# KiCad board PowerSupply.kicad_pcb
title: Laser Diode Power Supply; date: 2022-12-22; rev: v1.6; company: Brian Pepin
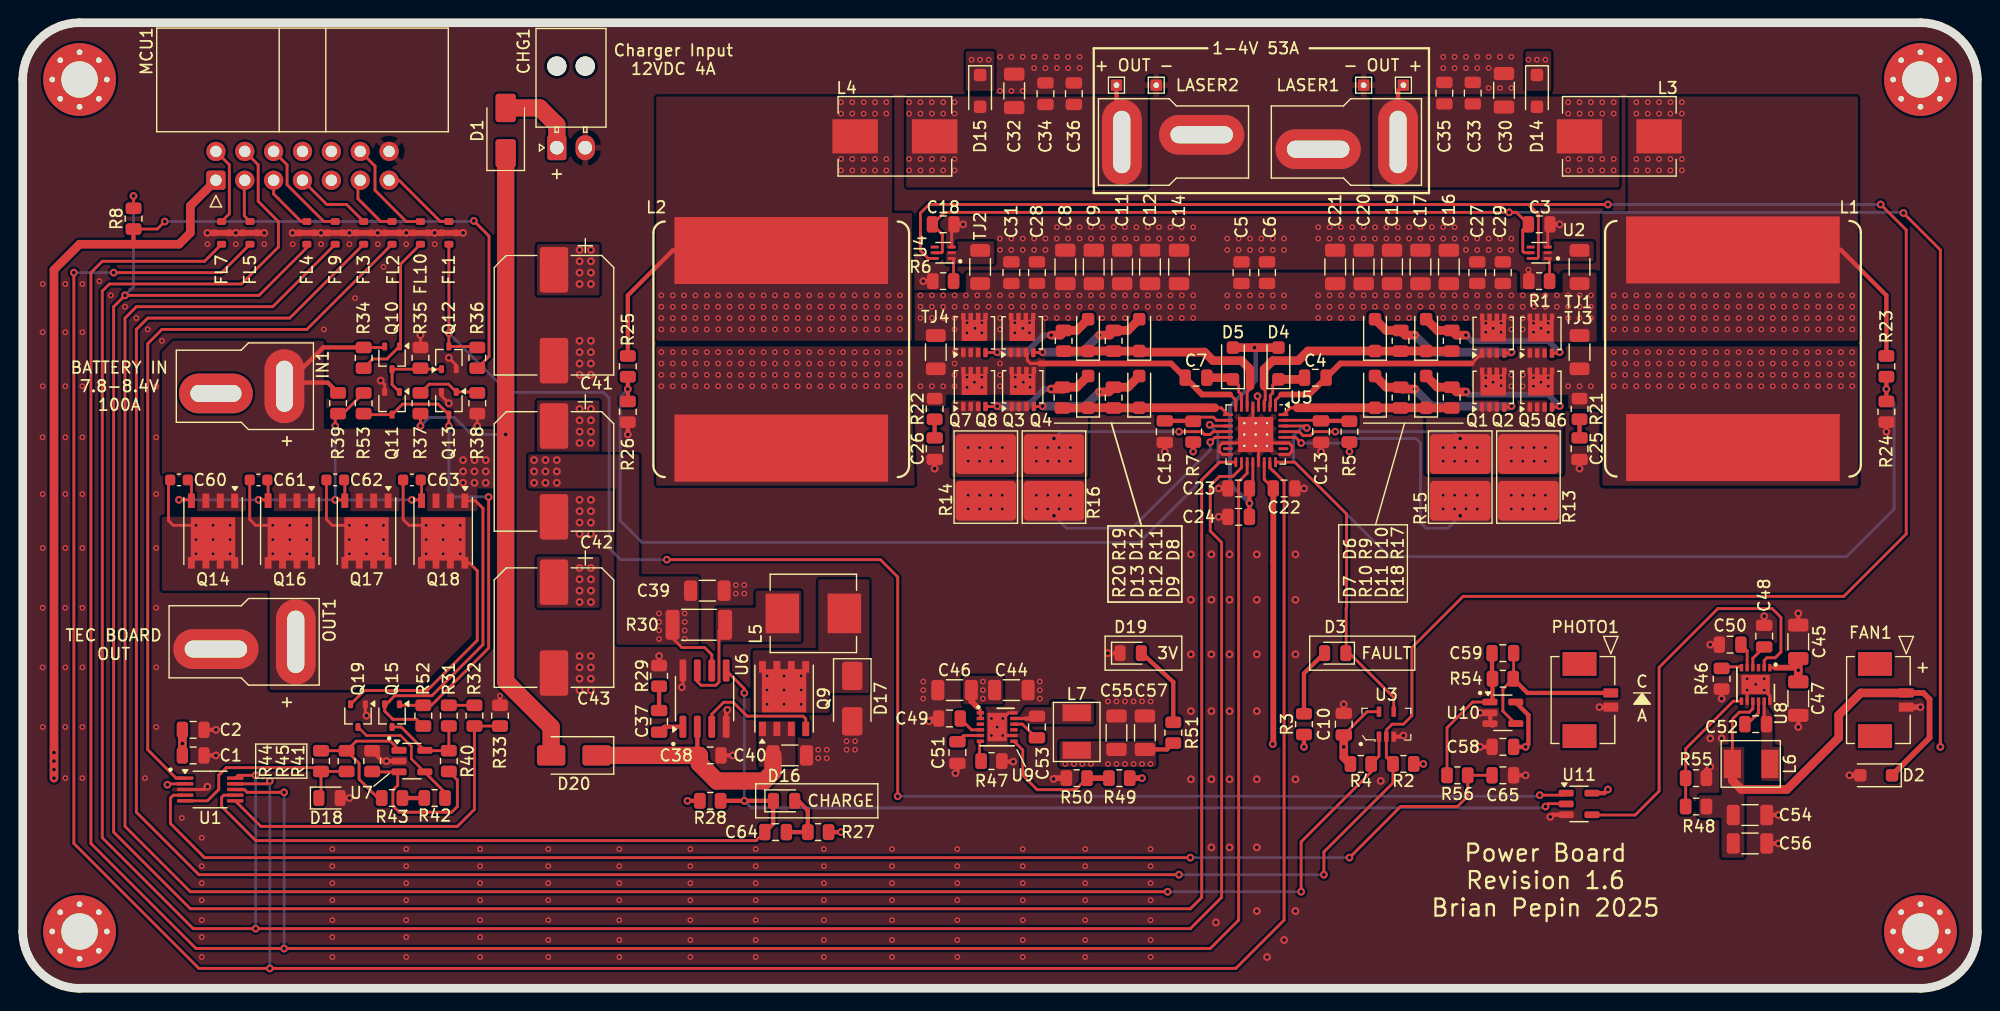
[diagram p0: board, top side]
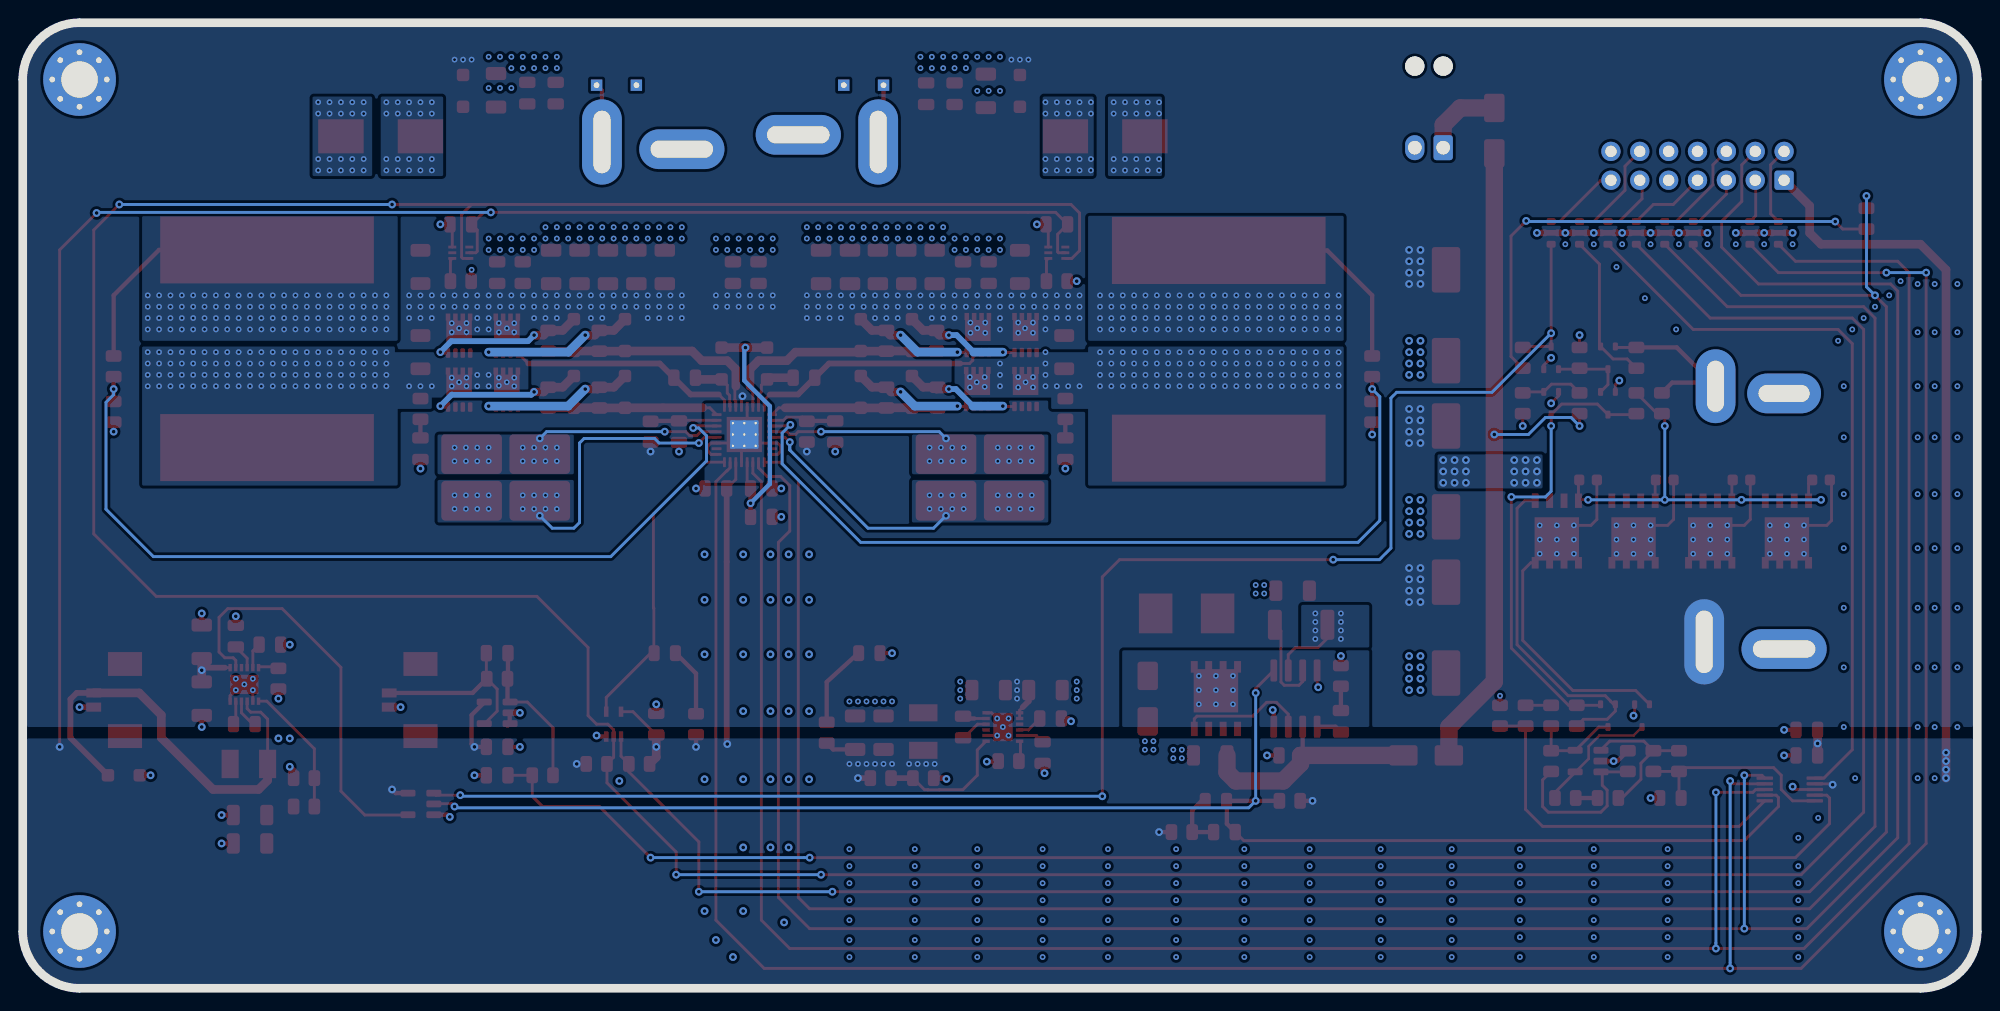
[diagram p1: board, bottom side, seen from below]

Outline 172 x 85 mm; copper layers: Top, In1.Cu, In2.Cu, Bottom. Coordinates in mm from the lower left corner of the outline.
Outline path: 0,80 0,5 arc(1.46,1.46) 5,0 167,0 arc(170.54,1.46) 172,5 172,80 arc(170.54,83.54) 167,85 5,85 arc(1.46,83.54) 0,80
Stack: Top 0.035mm / dielectric 0.48mm FR4 er 4.5 / In1.Cu 0.035mm / dielectric 0.48mm FR4 er 4.5 / In2.Cu 0.035mm / dielectric 0.48mm FR4 er 4.5 / Bottom 0.035mm

## Placement (name value [footprint] x y rotation side)
C1  1uF  [C_0805_2012Metric]  15 20.5 0 top
C2  .1uF  [C_0805_2012Metric]  15 22.75 0 top
C3  .1uF  [C_0805_2012Metric]  133.45 67.25 0 top
C4  .22uF  [C_0805_2012Metric]  113.75 53.75 0 top
C5  .1uF  [C_0805_2012Metric]  107.25 63 90 top
C6  4.7uF  [C_0805_2012Metric]  109.5 63 90 top
C7  .22uF  [C_0805_2012Metric]  103.25 53.75 180 top
C8  47uF  [C_1206_3216Metric]  91.75 63.5 90 top
C9  47uF  [C_1206_3216Metric]  94.25 63.5 90 top
C10  .1uF  [C_0805_2012Metric]  116.25 23.25 270 top
C11  47uF  [C_1206_3216Metric]  96.75 63.5 90 top
C12  47uF  [C_1206_3216Metric]  99.2 63.5 90 top
C13  220pF  [C_0805_2012Metric]  114.25 49 270 top
C14  47uF  [C_1206_3216Metric]  101.75 63.5 90 top
C15  220pF  [C_0805_2012Metric]  100.5 49 270 top
C16  47uF  [C_1206_3216Metric]  125.5 63.5 90 top
C17  47uF  [C_1206_3216Metric]  123 63.5 90 top
C18  .1uF  [C_0805_2012Metric]  81 67.25 0 top
C19  47uF  [C_1206_3216Metric]  120.5 63.5 90 top
C20  47uF  [C_1206_3216Metric]  118 63.5 90 top
C21  47uF  [C_1206_3216Metric]  115.5 63.5 90 top
C22  .1uF  [C_0805_2012Metric]  111 44 180 top
C23  2.2uF  [C_0805_2012Metric]  107 44 0 top
C24  .1uF  [C_0805_2012Metric]  107 41.5 0 top
C25  2200pF  [C_0805_2012Metric]  137 47.5 270 top
C26  2200pF  [C_0805_2012Metric]  80.25 47.5 270 top
C27  4.7uF  [C_0805_2012Metric]  128 63 90 top
C28  4.7uF  [C_0805_2012Metric]  89.25 63 90 top
C29  4.7uF  [C_0805_2012Metric]  130.25 63 90 top
C30  22uF  [C_1206_3216Metric]  130.35 79.05 90 top
C31  4.7uF  [C_0805_2012Metric]  87 63 90 top
C32  22uF  [C_1206_3216Metric]  87.25 79 90 top
C33  4.7uF  [C_0805_2012Metric]  127.6 78.8 90 top
C34  4.7uF  [C_0805_2012Metric]  90 78.75 90 top
C35  1uF  [C_0805_2012Metric]  125.1 78.8 90 top
C36  1uF  [C_0805_2012Metric]  92.5 78.75 90 top
C37  .47uF  [C_0805_2012Metric]  56 23.5 270 top
C38  .1uF  [C_0805_2012Metric]  60.5 20.5 0 top
C39  22uF  [C_1206_3216Metric]  60.25 35 0 top
C40  10uF  [C_1206_3216Metric]  67.5 20.5 180 top
C41  330uF  [CP_Elec_10x10]  46.75 59.25 270 top
C42  330uF  [CP_Elec_10x10]  46.75 45.5 270 top
C43  330uF  [CP_Elec_10x10]  46.75 31.75 270 top
C44  47uF  [C_1206_3216Metric]  87 26.25 180 top
C45  47uF  [C_1206_3216Metric]  156.25 30.5 270 top
C46  47uF  [C_1206_3216Metric]  82 26.25 0 top
C47  47uF  [C_1206_3216Metric]  156.25 25.5 90 top
C48  7.5nF  [C_0805_2012Metric]  153.25 31 90 top
C49  7.5nF  [C_0805_2012Metric]  81.55 23.75 180 top
C50  4.7uF  [C_0805_2012Metric]  150.25 30.25 0 top
C51  4.7uF  [C_0805_2012Metric]  82.25 20.75 90 top
C52  .1uF  [C_0805_2012Metric]  152.5 23.25 180 top
C53  .1uF  [C_0805_2012Metric]  89.25 23 270 top
C54  22uF  [C_1206_3216Metric]  152 15.25 180 top
C55  22uF  [C_1206_3216Metric]  96.25 22.5 270 top
C56  22uF  [C_1206_3216Metric]  152 12.75 180 top
C57  22uF  [C_1206_3216Metric]  98.75 22.5 270 top
C58  10uF  [C_0805_2012Metric]  130.25 21.25 0 top
C59  1uF  [C_0805_2012Metric]  130.25 29.5 0 top
C60  .22uF  [C_0603_1608Metric]  13.75 44.75 0 top
C61  .22uF  [C_0603_1608Metric]  20.75 44.75 0 top
C62  .22uF  [C_0603_1608Metric]  27.5 44.75 0 top
C63  .22uF  [C_0603_1608Metric]  34.25 44.75 0 top
C64  4.7uF  [C_0805_2012Metric]  66.25 13.75 0 top
C65  10uF  [C_0805_2012Metric]  130.25 18.75 0 top
CHG1  105313-1102  [Molex_Nano-Fit_105313-xx02_1x02_P2.50mm_Horizontal]  47 74 90 top
D1  CDBA540-HF  [D_SMA]  42.5 75.5 90 top
D2  V1FM15-M3/H  [D_SOD-123F]  163.1 18.75 180 top
D3  SM0805HCL  [LED_0805_2012Metric]  115.5 29.5 180 top
D4  V1FM15-M3/H  [D_SOD-123F]  110.5 55 90 top
D5  V1FM15-M3/H  [D_SOD-123F]  106.5 55 90 top
D6  V1FM15-M3/H  [D_SOD-123F]  119 57.5 90 top
D7  V1FM15-M3/H  [D_SOD-123F]  119 52.5 90 top
D8  V1FM15-M3/H  [D_SOD-123F]  98.25 57.5 90 top
D9  V1FM15-M3/H  [D_SOD-123F]  98.25 52.5 90 top
D10  V1FM15-M3/H  [D_SOD-123F]  123.5 57.5 90 top
D11  V1FM15-M3/H  [D_SOD-123F]  123.5 52.5 90 top
D12  V1FM15-M3/H  [D_SOD-123F]  93.75 57.5 90 top
D13  V1FM15-M3/H  [D_SOD-123F]  93.75 52.5 90 top
D14  V1FM15-M3/H  [D_SOD-123F]  133.25 79 270 top
D15  V1FM15-M3/H  [D_SOD-123F]  84.25 79 270 top
D16  SM0805GCL  [LED_0805_2012Metric]  67 16.5 0 top
D17  CDBA540-HF  [D_SMA]  73 25.5 270 top
D18  BZY55B3V0 RBG  [D_0805_2012Metric]  27 16.75 0 top
D19  SM0805GCL  [LED_0805_2012Metric]  97.5 29.5 0 top
D20  CDBA540-HF  [D_SMA]  48.5 20.5 180 top
FAN1  53398-0267  [533980267]  165.75 26 90 top
FL1  NFL21SP206X1C7D  [EMI_805]  37.5 66.5 270 top
FL2  NFL21SP206X1C7D  [EMI_805]  32.5 66.5 270 top
FL3  NFL21SP206X1C7D  [EMI_805]  30 66.5 270 top
FL4  NFL21SP206X1C7D  [EMI_805]  25 66.5 270 top
FL5  NFL21SP206X1C7D  [EMI_805]  20 66.5 270 top
FL7  NFL21SP206X1C7D  [EMI_805]  17.5 66.5 270 top
FL9  NFL21SP206X1C7D  [EMI_805]  27.5 66.5 270 top
FL10  NFL21SP206X1C7D  [EMI_805]  35 66.5 270 top
H1  MountingHole  [MountingHole_3.2mm_M3_Pad_Via]  5 80 0 top
H2  MountingHole  [MountingHole_3.2mm_M3_Pad_Via]  167 80 0 top
H3  MountingHole  [MountingHole_3.2mm_M3_Pad_Via]  5 5 0 top
H4  MountingHole  [MountingHole_3.2mm_M3_Pad_Via]  167 5 0 top
IN1  DEANS  [Connector_Deans_Male]  20.5 53 270 top
L1  4.7uH  [Inductor_Kemet_MPX1D2213]  150.5 56.3 90 top
L2  4.7uH  [Inductor_Kemet_MPX1D2213]  66.75 56.25 90 top
L3  120nH  [Inductor_TDK_VLBS1007083]  140.5 75 180 top
L4  120nH  [Inductor_TDK_VLBS1007083]  76.75 75 0 top
L5  2.5uH  [Inductor_Pulse_PA4341]  69.5 33 270 top
L6  6.8uH  [Inductor_SRP0412]  152 19.75 180 top
L7  3.3uH  [Inductor_SRP0412]  92.75 22.5 270 top
LASER1  DEANS  [Connector_Deans_Female]  117.5 74.5 270 top
LASER2  DEANS  [Connector_Deans_Female]  100.25 74.5 90 top
MCU1  2-1761605-5  [IDC-Header_2x07_P2.54mm_Horizontal]  17 71.13 90 top
OUT1  DEANS  [Connector_Deans_Female]  20.5 30.5 270 top
PHOTO1  53398-0267  [533980267]  139.75 26 90 top
Q1  PSMN1R5-25MLHX  [LFPAK33]  129.4 57.45 90 top
Q2  PSMN1R5-25MLHX  [LFPAK33]  129.4 52.7 90 top
Q3  PSMN1R5-25MLHX  [LFPAK33]  87.95 57.5 90 top
Q4  PSMN1R5-25MLHX  [LFPAK33]  88 52.75 90 top
Q5  PSMN1R5-25MLHX  [LFPAK33]  133.6 57.45 90 top
Q6  PSMN1R5-25MLHX  [LFPAK33]  133.6 52.7 90 top
Q7  PSMN1R5-25MLHX  [LFPAK33]  83.75 57.5 90 top
Q8  PSMN1R5-25MLHX  [LFPAK33]  83.75 52.75 90 top
Q9  Si7141DP  [PowerPAK_SO-8_Single]  67 25.5 90 top
Q10  BSS84  [SOT-323_SC-70]  32.5 55.5 270 top
Q11  2N7002PW  [SOT-323_SC-70]  32.5 51.5 270 top
Q12  2N7002PW  [SOT-323_SC-70]  37.5 55.5 90 top
Q13  2N7002PW  [SOT-323_SC-70]  37.5 51.5 270 top
Q14  Si7141DP  [PowerPAK_SO-8_Single]  16.75 40.25 270 top
Q15  BSS84  [SOT-323_SC-70]  32.5 24 270 top
Q16  Si7141DP  [PowerPAK_SO-8_Single]  23.5 40.25 270 top
Q17  Si7141DP  [PowerPAK_SO-8_Single]  30.25 40.25 270 top
Q18  Si7141DP  [PowerPAK_SO-8_Single]  37 40.25 270 top
Q19  BSS84  [SOT-323_SC-70]  29.5 24 270 top
R1  332k  [R_0805_2012Metric]  133.45 62.25 0 top
R2  10k  [R_0805_2012Metric]  121.5 19.75 0 top
R3  560  [R_0805_2012Metric]  112.75 23.25 270 top
R4  10k  [R_0805_2012Metric]  117.75 19.75 180 top
R5  5.36k  [R_0805_2012Metric]  116.75 49 90 top
R6  332k  [R_0805_2012Metric]  81 62.25 0 top
R7  5.36k  [R_0805_2012Metric]  103 49 90 top
R8  10k  [R_0805_2012Metric]  9.75 67.75 270 top
R9  4.7  [R_0805_2012Metric]  121.25 57 270 top
R10  4.7  [R_0805_2012Metric]  121.25 52 270 top
R11  4.7  [R_0805_2012Metric]  96 57 270 top
R12  4.7  [R_0805_2012Metric]  96 52 270 top
R13  .008  [R_2818_7158Metric_Kelvin]  132.5 45 270 top
R14  .008  [R_2818_7158Metric_Kelvin]  84.75 45 270 top
R15  .008  [R_2818_7158Metric_Kelvin]  126.5 45 270 top
R16  .008  [R_2818_7158Metric_Kelvin]  90.75 45 270 top
R17  4.7  [R_0805_2012Metric]  125.75 57 270 top
R18  4.7  [R_0805_2012Metric]  125.75 52 270 top
R19  4.7  [R_0805_2012Metric]  91.6 57 270 top
R20  4.7  [R_0805_2012Metric]  91.5 52 270 top
R21  1.2  [R_0805_2012Metric]  137 51 270 top
R22  1.2  [R_0805_2012Metric]  80.25 51 270 top
R23  4.64k  [R_0805_2012Metric]  164 54.75 270 top
R24  10k  [R_0805_2012Metric]  164 50.75 270 top
R25  4.64k  [R_0805_2012Metric]  53.25 54.75 270 top
R26  10k  [R_0805_2012Metric]  53.25 50.75 270 top
R27  560  [R_0805_2012Metric]  70 13.75 180 top
R28  10k  [R_0805_2012Metric]  60.5 16.5 0 top
R29  2.2k  [R_0805_2012Metric]  56 27.5 90 top
R30  .025  [R_2010_5025Metric]  59.5 32 0 top
R31  10k  [R_0805_2012Metric]  37.5 24 90 top
R32  10k  [R_0805_2012Metric]  39.75 24 270 top
R33  10k  [R_0805_2012Metric]  42 24 90 top
R34  100k  [R_0805_2012Metric]  30 55.5 90 top
R35  100k  [R_0805_2012Metric]  35 55.5 270 top
R36  100k  [R_0805_2012Metric]  40 55.5 270 top
R37  10k  [R_0805_2012Metric]  35 51.5 270 top
R38  100k  [R_0805_2012Metric]  40 51.5 90 top
R39  10k  [R_0805_2012Metric]  27.75 51.5 270 top
R40  1k  [R_0805_2012Metric]  37.5 20 270 top
R41  100k  [R_0805_2012Metric]  30.75 20 90 top
R42  1k  [R_0805_2012Metric]  36.25 16.75 0 top
R43  100k  [R_0805_2012Metric]  32.5 16.75 180 top
R44  1k  [R_0805_2012Metric]  26.25 20 270 top
R45  1k  [R_0805_2012Metric]  28.5 20 270 top
R46  19.1k  [R_0805_2012Metric]  149.5 27.25 270 top
R47  19.1k  [R_0805_2012Metric]  85.25 20 0 top
R48  54.9k  [R_0805_2012Metric]  147.25 16 0 top
R49  53.6k  [R_0805_2012Metric]  96.5 18.5 0 top
R50  20.5k  [R_0805_2012Metric]  92.75 18.5 0 top
R51  560  [R_0805_2012Metric]  101.25 22.5 270 top
R52  10k  [R_0805_2012Metric]  35.25 24 90 top
R53  5.1k  [R_0805_2012Metric]  30 51.5 270 top
R54  20k  [R_0805_2012Metric]  130.25 27.25 0 top
R55  12k  [R_0805_2012Metric]  147.25 18.5 0 top
R56  51k  [R_0805_2012Metric]  126.25 18.75 180 top
TJ1  oo  [R_1206_3216Metric]  137 63.5 270 top
TJ2  oo  [R_1206_3216Metric]  84.25 63.5 270 top
TJ3  oo  [R_1206_3216Metric]  137 56 90 top
TJ4  oo  [R_1206_3216Metric]  80.35 56 90 top
TP1  Out1+  [TestPoint_THTPad_1.0x1.0mm_Drill0.5mm]  121.5 79.5 0 top
TP2  Out1-  [TestPoint_THTPad_1.0x1.0mm_Drill0.5mm]  118 79.5 0 top
TP3  Out2+  [TestPoint_THTPad_1.0x1.0mm_Drill0.5mm]  96.25 79.5 0 top
TP4  Out2-  [TestPoint_THTPad_1.0x1.0mm_Drill0.5mm]  99.75 79.5 0 top
U1  ADC104S021  [VSSOP-10_3x3mm_P0.5mm]  16.5 17.5 0 top
U2  TMP390-Q1  [SOT-563]  133.45 64.75 180 top
U3  SN74LVC1G08DCK3  [SC-70-5]  120 23.25 0 top
U4  TMP390-Q1  [SOT-563]  81 64.75 180 top
U5  MAX20096ATJ_VY+  [QFN-32-1EP_5x5mm_P0.5mm_EP3.1x3.1mm_ThermalVias]  108.5 48.75 270 top
U6  LTC4002ES8-8.4  [SOIC-8_3.9x4.9mm_P1.27mm]  60 25.5 90 top
U7  LTC2066IS5#TRPBF  [SOT-23-5]  34.25 20 0 top
U8  MAX17643  [DFN-12-1EP_3x3mm_P0.5mm_EP2.05x2.5mm]  152.5 26.75 270 top
U9  MAX17643  [DFN-12-1EP_3x3mm_P0.5mm_EP2.05x2.5mm]  85.75 23 0 top
U10  LTC2066IS5#TRPBF  [SOT-23-5]  130.25 24.25 0 top
U11  74AHC1G00  [SOT-23-5]  136.96 16.23 0 top

## Library data of the parts
C1 C35 C36 C59 = -: PartNo: UMF212B7105KGHT; ki_fp_filters: C_*
C2 C3 C5 C10 C18 C22 C24 C38 C52 C53 C58 C65 = -: PartNo: C0805X104M5RACTU; ki_fp_filters: C_*
C4 C7 = -: PartNo: GRM21AR72A224KAC5K; ki_fp_filters: C_*
C6 C27-C29 C31 C33 C34 C50 C51 C64 = -: PartNo: JMK212B7475KGHT; ki_fp_filters: C_*
C8 C9 C11 C12 C14 C16 C17 C19-C21 C44-C47 = -: PartNo: C3216JB1E476M160AC; ki_fp_filters: C_*
C13 C15 = -: PartNo: C0805C221K1HACTU; ki_fp_filters: C_*
C23 = -: PartNo: GCM21BR71E225KA73L; ki_fp_filters: C_*
C25 C26 = -: PartNo: C0805C222K3GECTU; ki_fp_filters: C_*
C30 C32 C39 C54-C57 = -: PartNo: C3216X5R1V226M160AC; ki_fp_filters: C_*
C37 = -: PartNo: C2012X7R1E474K125AA; ki_fp_filters: C_*
C40 = -: PartNo: GMK316AB7106KL-TR; ki_fp_filters: C_*
C41-C43 = -: PartNo: GYC1E331MCQ1GS; ki_fp_filters: CP_*
C48 C49 = -: PartNo: C0805C752F8HACTU; ki_fp_filters: C_*
C60-C63 = -: ki_fp_filters: C_*
CHG1 FAN1 PHOTO1 = -: ki_fp_filters: Connector*:*_1x??_*
D1 D2 D4-D15 D17 D18 D20 = -: ki_fp_filters: TO-???* *_Diode_* *SingleDiode* D_*
D3 D16 D19 = -: ki_fp_filters: LED* LED_SMD:* LED_THT:*
FL1-FL5 FL7 FL9 FL10 = -: Datasheet: http://www.murata.com/~/media/webrenewal/support/library/catalog/products/emc/emifil/c31e.ashx?la=en-gb; ki_fp_filters: Filter* Resonator*
H1-H4 = -: ki_fp_filters: MountingHole*Pad*
IN1 LASER1 LASER2 OUT1 = -: Datasheet: http://cdn.sparkfun.com/datasheets/Prototyping/deans_connector_PRT-11864.pdf
L1 L2 = -: PartNo: MPXV1D2213L4R7; ki_fp_filters: Choke_* *Coil* Inductor_* L_*
L3 L4 = -: PartNo: VLBU1007090T-R12L; ki_fp_filters: Choke_* *Coil* Inductor_* L_*
L5 = -: PartNo: PA4341.252NLT; ki_fp_filters: Choke_* *Coil* Inductor_* L_*
L6 = -: PartNo: SRP0412-6R8K; ki_fp_filters: Choke_* *Coil* Inductor_* L_*
L7 = -: PartNo: SRP0412-3R3K; ki_fp_filters: Choke_* *Coil* Inductor_* L_*
MCU1 = -: ki_fp_filters: Connector*:*_2x??_*
Q1-Q8 = -: Datasheet: https://assets.nexperia.com/documents/data-sheet/PSMN1R8-30MLH.pdf
Q9 Q14 Q16-Q18 = -: Datasheet: https://www.vishay.com/docs/65596/si7141dp.pdf; PartNo: SI7141DP-T1-GE3; ki_fp_filters: PowerPAK*SO*Single*
Q10 Q15 Q19 = -: Datasheet: http://assets.nexperia.com/documents/data-sheet/BSS84.pdf; PartNo: BSS84PWH6327XT; ki_fp_filters: SOT?23*
Q11-Q13 = -: Datasheet: https://www.onsemi.com/pub/Collateral/NDS7002A-D.PDF; PartNo: 2N7002PW,115; ki_fp_filters: SOT?23*
R1 R6 = -: PartNo: RT0805FRE07332KL; ki_fp_filters: R_*
R2 R4 R8 R24 R26 R28 R31-R33 R37 R39 R52 = -: PartNo: ERJ-6ENF1002V; ki_fp_filters: R_*
R3 R27 R51 = -: PartNo: ERJ-6ENF5600V; ki_fp_filters: R_*
R5 R7 = -: PartNo: ERJ-6ENF5361V; ki_fp_filters: R_*
R9-R12 R17-R20 = -: PartNo: ERJ-P06J4R7V; ki_fp_filters: R_*
R13-R16 = -: PartNo: WSHM28188L000FEA; ki_fp_filters: R_*
R21 R22 = -: PartNo: ERJ-6BQF1R2V; ki_fp_filters: R_*
R23 R25 = -: PartNo: ERJ-6ENF4641V; ki_fp_filters: R_*
R29 = -: PartNo: ERJ-PB6B2201V; ki_fp_filters: R_*
R30 = -: PartNo: WSL2010R0250FEA; ki_fp_filters: R_*
R34-R36 R38 R41 R43 = -: PartNo: SFR10EZPJ104; ki_fp_filters: R_*
R40 R42 R44 R45 = -: PartNo: ERJ-P06J102V; ki_fp_filters: R_*
R46 R47 = -: PartNo: ERJ-6ENF1912V; ki_fp_filters: R_*
R48 = -: PartNo: ERJ-6ENF5492V; ki_fp_filters: R_*
R49 = -: PartNo: ERJ-6ENF5362V; ki_fp_filters: R_*
R50 = -: PartNo: ERJ-6ENF2052V; ki_fp_filters: R_*
R53 = -: ki_fp_filters: R_*
R54 R56 = -: PartNo: ERJ-P06D60R4V; ki_fp_filters: R_*
R55 = -: PartNo: ERJ-P06F1202V; ki_fp_filters: R_*
TJ1-TJ4 = -: Datasheet: https://www.mouser.com/datasheet/2/427/thjp-1709843.pdf; Description: 1225 sideways mount; PartNo: THJP1206AST1; ki_fp_filters: R_*
TP1-TP4 = -: ki_fp_filters: Pin* Test*
U1 = -: PartNo: ADC104S021CIMMX/NOPB
U2 U4 = -: PartNo: TMP390AQDRLRQ1
U3 = -: Datasheet: http://www.ti.com/lit/sg/scyt129e/scyt129e.pdf; ki_fp_filters: SOT* SG-*
U5 = -: PartNo: MAX20096ATJ/VY+
U6 = -: Datasheet: https://www.analog.com/media/en/technical-documentation/data-sheets/4002f.pdf; PartNo: LTC4002ES8-8.4#PBF; ki_fp_filters: SOIC*8*3.9x4.9mm*P1.27mm*
U7 U10 = -: Datasheet: http://www.ti.com/lit/ds/symlink/tlv2375.pdf; ki_fp_filters: SOT?23*
U8 U9 = -: PartNo: MAX17643ATC+
U11 = -: Datasheet: http://www.ti.com/lit/sg/scyt129e/scyt129e.pdf; PartNo: SN74AHC1G00DBVR; ki_fp_filters: SOT* SG-*

## Footprints (pads in the part's own frame, mm; a bottom-side part is the same pattern mirrored in y, then rotated)
533980267
  rect 0.8x1.3 smd: 1(0,0) 2(-1.25,0)
  rect 2.1x3 smd: 3(2.55,2.75) 4(-3.8,2.75)
C_0603_1608Metric
  rrect 0.9x0.95 smd: 1(-0.775,0) 2(0.775,0)
C_0805_2012Metric
  rrect 1x1.45 smd: 1(-0.95,0) 2(0.95,0)
C_1206_3216Metric
  rrect 1.15x1.8 smd: 1(-1.475,0) 2(1.475,0)
Connector_Deans_Female
  oval 7.5x3.5 hole 5.5x1.5: +(0,3.531)
  oval 3.5x7.5 hole 1.5x5.5: -(0.635,-3.5)
Connector_Deans_Male
  oval 6.5x3.5 hole 4.5x1.5: +(0,2.531)
  oval 3.5x6.5 hole 1.5x4.5: -(0.635,-3.5)
CP_Elec_10x10
  rrect 4x2.5 smd: 1(-4,0) 2(4,0)
D_0805_2012Metric
  rrect 0.975x1.4 smd: 1(-0.938,0) 2(0.938,0)
D_SMA
  rrect 2.5x1.8 smd: 1(-2,0) 2(2,0)
D_SOD-123F
  rrect 1.1x1.1 smd: 1(-1.4,0) 2(1.4,0)
DFN-12-1EP_3x3mm_P0.5mm_EP2.05x2.5mm
  rect 0.6x1 smd: (-0.512,0.715) (-0.512,-0.715) (0.512,0.715) (0.512,-0.715)
  rect 0.65x0.3 smd: 1(-1.475,1.25) 2(-1.475,0.75) 3(-1.475,0.25) 4(-1.475,-0.25) 5(-1.475,-0.75) 6(-1.475,-1.25) 7(1.475,-1.25) 8(1.475,-0.75) 9(1.475,-0.25) 10(1.475,0.25) 11(1.475,0.75) 12(1.475,1.25)
  rect 1.7x2.5 smd: 13(0,0)
EMI_805
  rrect 0.6x0.8 smd: 1(-1,0) 3(1,0)
  rrect 0.6x0.6 smd: 2(0,0.65) 2(0,-0.65)
IDC-Header_2x07_P2.54mm_Horizontal
  rrect 1.7x1.7 hole 1: 1(0,0)
  round 1.7 hole 1: 2(2.54,0) 3(0,-2.54) 4(2.54,-2.54) 5(0,-5.08) 6(2.54,-5.08) 7(0,-7.62) 8(2.54,-7.62) 9(0,-10.16) 10(2.54,-10.16) 11(0,-12.7) 12(2.54,-12.7) 13(0,-15.24) 14(2.54,-15.24)
Inductor_Kemet_MPX1D2213
  rrect 1x1 smd: (-10.8,8.6) (-10.8,7.2) (-10.8,5.8) (-10.8,4.4) (-10.8,3) (-10.8,1.6) (-10.8,0.2) (-10.8,-1.2) (-10.8,-2.6) (-10.8,-4) (-10.8,-5.4) (-10.8,-6.8) (-10.8,-8.2) (-9.4,8.6) (-9.4,7.2) (-9.4,5.8) (-9.4,4.4) (-9.4,3) (-9.4,1.6) (-9.4,0.2) (-9.4,-1.2) (-9.4,-2.6) (-9.4,-4) (-9.4,-5.4) (-9.4,-6.8) (-9.4,-8.2) (-8,8.6) (-8,7.2) (-8,5.8) (-8,4.4) (-8,3) (-8,1.6) (-8,0.2) (-8,-1.2) (-8,-2.6) (-8,-4) (-8,-5.4) (-8,-6.8) (-8,-8.2) (-6.6,8.6) (-6.6,7.2) (-6.6,5.8) (-6.6,4.4) (-6.6,3) (-6.6,1.6) (-6.6,0.2) (-6.6,-1.2) (-6.6,-2.6) (-6.6,-4) (-6.6,-5.4) (-6.6,-6.8) (-6.6,-8.2) (6.6,8.6) (6.6,7.2) (6.6,5.8) (6.6,4.4) (6.6,3) (6.6,1.6) (6.6,0.2) (6.6,-1.2) (6.6,-2.6) (6.6,-4) (6.6,-5.4) (6.6,-6.8) (6.6,-8.2) (8,8.6) (8,7.2) (8,5.8) (8,4.4) (8,3) (8,1.6) (8,0.2) (8,-1.2) (8,-2.6) (8,-4) (8,-5.4) (8,-6.8) (8,-8.2) (9.4,8.6) (9.4,7.2) (9.4,5.8) (9.4,4.4) (9.4,3) (9.4,1.6) (9.4,0.2) (9.4,-1.2) (9.4,-2.6) (9.4,-4) (9.4,-5.4) (9.4,-6.8) (9.4,-8.2) (10.8,8.6) (10.8,7.2) (10.8,5.8) (10.8,4.4) (10.8,3) (10.8,1.6) (10.8,0.2) (10.8,-1.2) (10.8,-2.6) (10.8,-4) (10.8,-5.4) (10.8,-6.8) (10.8,-8.2)
  rect 5.9x18.8 smd: 1(-8.7,0) 2(8.7,0)
Inductor_Pulse_PA4341
  rect 3.5x2.95 smd: 1(0,2.8) 2(0,-2.65)
Inductor_SRP0412
  rect 1.5x2.5 smd: 1(-1.75,0) 2(1.55,0)
Inductor_TDK_VLBS1007083
  rect 4x3 smd: 1(-3.5,0) 2(3.5,0)
LED_0805_2012Metric
  rrect 0.975x1.4 smd: 1(-0.938,0) 2(0.938,0)
LFPAK33
  rrect 0.83x0.3 smd: (-1.535,0.975) (-1.535,0.325) (-1.535,-0.325) (-1.535,-0.975) (1.575,0.975) (1.575,0.325) (1.575,-0.325) (1.575,-0.975)
  rrect 0.51x0.635 smd: (-0.215,0.626) (-0.215,-0.626) (0.645,0.626) (0.645,-0.626)
  rrect 0.83x0.4 smd: 1(-1.535,0.975) 2(-1.535,0.325) 3(-1.535,-0.325) 4(-1.535,-0.975)
  custom 2.47x2.35 smd: 5(0.405,0)
Molex_Nano-Fit_105313-xx02_1x02_P2.50mm_Horizontal
  round 1.7 hole 1.7 unplated: (7.18,0) (7.18,-2.5)
  rrect 2.2x1.7 hole 1.2: 1(0,0)
  oval 2.2x1.7 hole 1.2: 2(0,-2.5)
MountingHole_3.2mm_M3_Pad_Via
  round 0.8 hole 0.5: 1(-2.4,0) 1(-1.697,1.697) 1(-1.697,-1.697) 1(0,2.4) 1(0,-2.4) 1(1.697,1.697) 1(1.697,-1.697) 1(2.4,0)
  round 6.4 hole 3.2: 1(0,0)
PowerPAK_SO-8_Single
  rect 1.27x0.61 smd: 1(-2.67,1.905) 2(-2.67,0.635) 3(-2.67,-0.635) 4(-2.67,-1.905)
  rect 3.81x3.91 smd: 5(0.69,0)
  rect 1.02x0.61 smd: 5(2.795,1.905) 5(2.795,0.635) 5(2.795,-0.635) 5(2.795,-1.905)
QFN-32-1EP_5x5mm_P0.5mm_EP3.1x3.1mm_ThermalVias
  custom 0.443x0.443 smd: (-1.275,1.275) (-1.275,-1.275) (1.275,1.275) (1.275,-1.275)
  custom 0.443x0.806 smd: (-1.275,0.5) (-1.275,-0.5) (1.275,0.5) (1.275,-0.5)
  custom 0.806x0.443 smd: (-0.5,1.275) (-0.5,-1.275) (0.5,1.275) (0.5,-1.275)
  rrect 0.806x0.806 smd: (-0.5,0.5) (-0.5,-0.5) (0.5,0.5) (0.5,-0.5)
  rrect 0.875x0.25 smd: 1(-2.438,1.75) 2(-2.438,1.25) 3(-2.438,0.75) 4(-2.438,0.25) 5(-2.438,-0.25) 6(-2.438,-0.75) 7(-2.438,-1.25) 8(-2.438,-1.75) 17(2.438,-1.75) 18(2.438,-1.25) 19(2.438,-0.75) 20(2.438,-0.25) 21(2.438,0.25) 22(2.438,0.75) 23(2.438,1.25) 24(2.438,1.75)
  rrect 0.25x0.875 smd: 9(-1.75,-2.438) 10(-1.25,-2.438) 11(-0.75,-2.438) 12(-0.25,-2.438) 13(0.25,-2.438) 14(0.75,-2.438) 15(1.25,-2.438) 16(1.75,-2.438) 25(1.75,2.438) 26(1.25,2.438) 27(0.75,2.438) 28(0.25,2.438) 29(-0.25,2.438) 30(-0.75,2.438) 31(-1.25,2.438) 32(-1.75,2.438)
  round 0.5 hole 0.2: 33(-1,1) 33(-1,0) 33(-1,-1) 33(0,1) 33(0,0) 33(0,-1) 33(1,1) 33(1,0) 33(1,-1)
  rect 2.5x2.5 smd far side: 33(0,0)
  rect 3.1x3.1 smd: 33(0,0)
R_0805_2012Metric
  rrect 1.025x1.4 smd: 1(-0.912,0) 2(0.912,0)
R_1206_3216Metric
  rrect 1.125x1.75 smd: 1(-1.462,0) 2(1.462,0)
R_2010_5025Metric
  rrect 1.225x2.65 smd: 1(-2.312,0) 2(2.312,0)
R_2818_7158Metric_Kelvin
  rrect 0.8x0.8 smd: (-3.2,2) (-3.2,1) (-3.2,0) (-3.2,-1) (-3.2,-2) (-2,2) (-2,1) (-2,0) (-2,-1) (-2,-2) (-0.8,2) (-0.8,1) (-0.8,0) (-0.8,-1) (-0.8,-2) (1,2) (1,1) (1,0) (1,-1) (1,-2) (2.2,2) (2.2,1) (2.2,0) (2.2,-1) (2.2,-2) (3.4,2) (3.4,1) (3.4,0) (3.4,-1) (3.4,-2)
  rrect 3.505x5.334 smd: 1(-2.032,0) 2(2.083,0)
SC-70-5
  rect 0.4x0.9 smd: 1(-0.65,-1.1) 2(0,-1.1) 3(0.65,-1.1) 4(0.65,1.1) 5(-0.65,1.1)
SOIC-8_3.9x4.9mm_P1.27mm
  rrect 1.95x0.6 smd: 1(-2.475,1.905) 2(-2.475,0.635) 3(-2.475,-0.635) 4(-2.475,-1.905) 5(2.475,-1.905) 6(2.475,-0.635) 7(2.475,0.635) 8(2.475,1.905)
SOT-23-5
  rrect 1.325x0.6 smd: 1(-1.137,0.95) 2(-1.137,0) 3(-1.137,-0.95) 4(1.137,-0.95) 5(1.137,0.95)
SOT-323_SC-70
  rrect 0.7x0.45 smd: 1(-1,0.65) 2(-1,-0.65) 3(1,0)
SOT-563
  rect 0.7x0.25 smd: 1(-0.75,0.5) 2(-0.75,0) 3(-0.75,-0.5) 4(0.75,-0.5) 5(0.75,0) 6(0.75,0.5)